# Allegro board meta_carrier_lay_rev1.brd (continued)
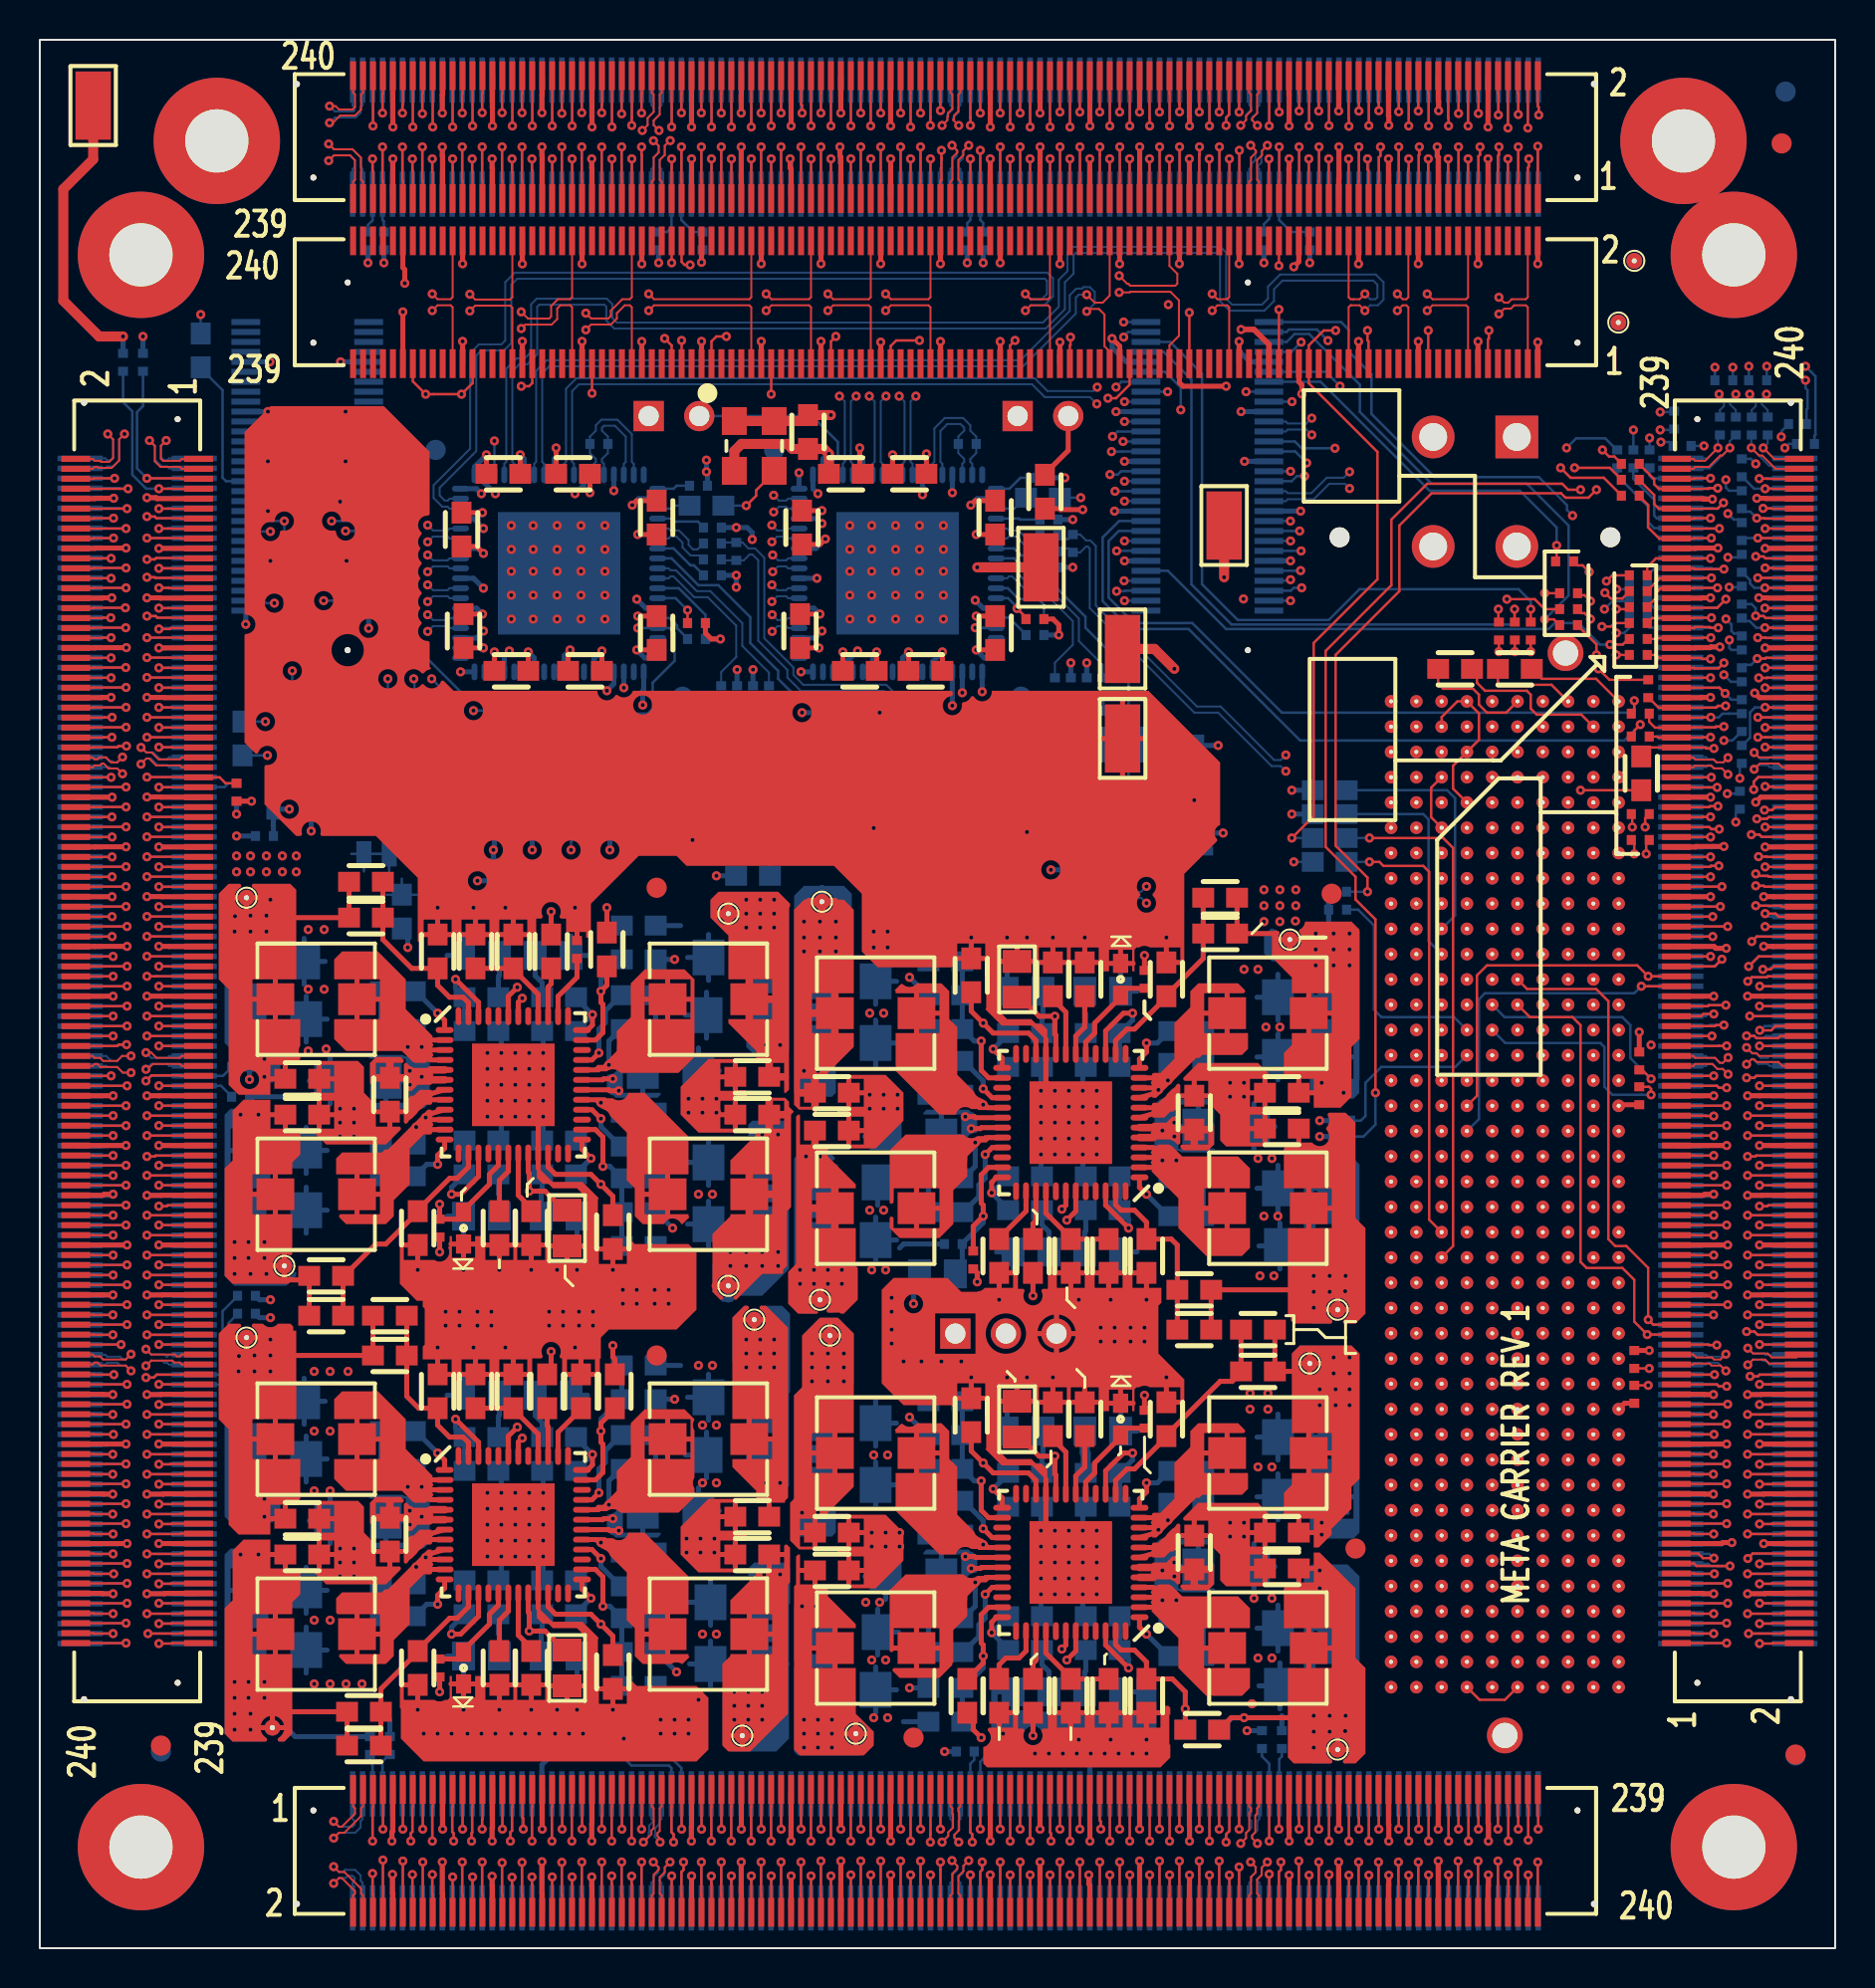
[diagram p0: board, top side]
## Nets (continued)
GND: C1.2 C2.2 C3.2 C4.2 C5.2 C6.2 C7.2 C8.2 C9.2 C10.2 C11.2 C12.2 C13.2 C14.2 C15.2 C16.2 C17.2 C18.2 C19.2 C23.2 C24.2 C25.2 C26.2 C27.2 C28.2 C29.2 C30.2 C31.2 C32.2 C33.2 C34.2 C35.2 C36.2 C37.2 C38.2 C39.2 C40.2 C41.2 C42.2 C47.2 C49.2 C50.2 C51.2 C52.2 C53.2 C54.2 C55.2 C56.2 C57.2 C58.2 C59.2 C60.2 C61.2 C62.2 C63.2 C64.2 C65.2 C66.2 C68.2 C71.2 C72.2 C73.2 C74.2 C75.2 C76.2 C77.2 C78.2 C79.2 C80.2 C81.2 C82.2 C88.2 C89.2 C90.2 C91.2 C92.2 C93.2 C94.2 C95.2 C96.2 C98.2 C101.2 C102.2 C104.2 C105.2 C106.2 C107.2 C108.2 C109.2 C110.2 C111.2 C112.2 C120.2 C121.2 C122.2 C123.2 C124.2 C125.2 C126.2 C127.2 C128.2 C129.2 C130.2 C131.2 C133.2 C134.2 C135.2 C136.2 C137.2 C138.2 C139.2 C140.2 C141.2 C143.2 C146.2 C147.2 C149.2 C150.2 C151.2 C158.2 C159.2 C160.2 C161.2 C162.2 C163.2 C164.2 C165.2 C166.2 C167.2 C168.2 C169.2 C170.2 C171.2 C172.2 C173.2 C178.2 C179.2 C180.2 C181.2 C182.2 C183.2 C184.2 C185.2 C186.2 C187.2 CR1.1(C) CR2.1(C) CR3.1(C) CR4.1(C) J1.11 J1.12 J1.31 J1.32 J1.51 J1.52 J1.71(11) J1.72(12) J1.91(31) J1.92(32) J1.111(51) J1.112(52) J1.131(11) J1.132(12) J1.151(31) J1.152(32) J1.171(51) J1.172(52) J1.191(11) J1.192(12) J1.211(31) J1.212(32) J1.231(51) J1.232(52) J2.1 J2.2 J2.13 J2.14 J2.25 J2.26 J2.37 J2.38 J2.49 J2.50 J2.61(1) J2.62(2) J2.73(13) J2.74(14) J2.85(25) J2.86(26) J2.97(37) J2.98(38) J2.109(49) J2.110(50) J2.121(1) J2.122(2) J2.133(13) J2.134(14) J2.145(25) J2.146(26) J2.157(37) J2.158(38) J2.169(49) J2.170(50) J2.181(1) J2.182(2) J2.193(13) J2.194(14) J2.205(25) J2.206(26) J2.217(37) J2.218(38) J2.229(49) J2.230(50) J3.9 J3.10 J3.29 J3.30 J3.49 J3.50 J3.69(9) J3.70(10) J3.89(29) J3.90(30) J3.109(49) J3.110(50) J3.129(9) J3.130(10) J3.149(29) J3.150(30) J3.169(49) J3.170(50) J3.189(9) J3.190(10) J3.209(29) J3.210(30) J3.229(49) J3.230(50) J4.11 J4.12 J4.31 J4.32 J4.51 J4.52 J4.71(11) J4.72(12) J4.91(31) J4.92(32) J4.111(51) J4.112(52) J4.131(11) J4.132(12) J4.151(31) J4.152(32) J4.171(51) J4.172(52) J4.191(11) J4.192(12) J4.211(31) J4.212(32) J4.231(51) J4.232(52) J5.9 J5.10 J5.29 J5.30 J5.49 J5.50 J5.69(9) J5.70(10) J5.89(29) J5.90(30) J5.109(49) J5.110(50) J5.129(9) J5.130(10) J5.149(29) J5.150(30) J5.169(49) J5.170(50) J5.189(9) J5.190(10) J5.209(29) J5.210(30) J5.229(49) J5.230(50) J6.11 J6.12 J6.31 J6.32 J6.51 J6.52 J6.71(11) J6.72(12) J6.91(31) J6.92(32) J6.111(51) J6.112(52) J6.131(11) J6.132(12) J6.151(31) J6.152(32) J6.171(51) J6.172(52) J6.191(11) J6.192(12) J6.211(31) J6.212(32) J6.231(51) J6.232(52) J7.1 J7.2 J8.11 J8.12 J8.21 J8.22 J8.31 J8.32 J8.41 J8.42 J8.51 J8.52 J9.1 J10.3 J11.11 J11.12 J11.31 J11.32 J11.51 J11.52 J11.71(11) J11.72(12) J11.91(31) J11.92(32) J11.111(51) J11.112(52) J11.131(11) J11.132(12) J11.151(31) J11.152(32) J11.171(51) J11.172(52) J11.191(11) J11.192(12) J11.211(31) J11.212(32) J11.231(51) J11.232(52) J12.9 J12.10 J12.29 J12.30 J12.49 J12.50 J12.69(9) J12.70(10) J12.89(29) J12.90(30) J12.109(49) J12.110(50) J12.129(9) J12.130(10) J12.149(29) J12.150(30) J12.169(49) J12.170(50) J12.189(9) J12.190(10) J12.209(29) J12.210(30) J12.229(49) J12.230(50) J14.11 J14.12 J14.21 J14.22 J14.31 J14.32 J14.41 J14.42 J14.51 J14.52 J15.9 J15.10 J15.29 J15.30 J15.49 J15.50 J15.69(9) J15.70(10) J15.89(29) J15.90(30) J15.109(49) J15.110(50) J15.129(9) J15.130(10) J15.149(29) J15.150(30) J15.169(49) J15.170(50) J15.189(9) J15.190(10) J15.209(29) J15.210(30) J15.229(49) J15.230(50) P1.A1(GND#A1) P1.A4(GND#A4) P1.A5(GND#A5) P1.A8(GND#A8) P1.A9(GND#A9) P1.A12(GND#A12) P1.A13(GND#A13) P1.A16(GND#A16) P1.A17(GND#A17) P1.A20(GND#A20) P1.A21(GND#A21) P1.A24(GND#A24) P1.A25(GND#A25) P1.A28(GND#A28) P1.A29(GND#A29) P1.A32(GND#A32) P1.A33(GND#A33) P1.A36(GND#A36) P1.A37(GND#A37) P1.A40(GND#A40) P1.B2(GND#B2) P1.B3(GND#B3) P1.B6(GND#B6) P1.B7(GND#B7) P1.B10(GND#B10) P1.B11(GND#B11) P1.B14(GND#B14) P1.B15(GND#B15) P1.B18(GND#B18) P1.B19(GND#B19) P1.B22(GND#B22) P1.B23(GND#B23) P1.B26(GND#B26) P1.B27(GND#B27) P1.B30(GND#B30) P1.B31(GND#B31) P1.B34(GND#B34) P1.B35(GND#B35) P1.B38(GND#B38) P1.B39(GND#B39) P1.C1(GND#C1) P1.C4(GND#C4) P1.C5(GND#C5) P1.C8(GND#C8) P1.C9(GND#C9) P1.C12(GND#C12) P1.C13(GND#C13) P1.C16(GND#C16) P1.C17(GND#C17) P1.C20(GND#C20) P1.C21(GND#C21) P1.C24(GND#C24) P1.C25(GND#C25) P1.C28(GND#C28) P1.C29(GND#C29) P1.C32(GND#C32) P1.C33(GND#C33) P1.C36(GND#C36) P1.C38(GND#C38) P1.C40(GND#C40) P1.D2(GND#D2) P1.D3(GND#D3) P1.D6(GND#D6) P1.D7(GND#D7) P1.D10(GND#D10) P1.D13(GND#D13) P1.D16(GND#D16) P1.D19(GND#D19) P1.D22(GND#D22) P1.D25(GND#D25) P1.D28(GND#D28) P1.D37(GND#D37) P1.D39(GND#D39) P1.E1(GND#E1) P1.E4(GND#E4) P1.E5(GND#E5) P1.E8(GND#E8) P1.E11(GND#E11) P1.E14(GND#E14) P1.E17(GND#E17) P1.E20(GND#E20) P1.E23(GND#E23) P1.E26(GND#E26) P1.E29(GND#E29) P1.E32(GND#E32) P1.E35(GND#E35) P1.E38(GND#E38) P1.E40(GND#E40) P1.F2(GND#F2) P1.F3(GND#F3) P1.F6(GND#F6) P1.F9(GND#F9) P1.F12(GND#F12) P1.F15(GND#F15) P1.F18(GND#F18) P1.F21(GND#F21) P1.F24(GND#F24) P1.F27(GND#F27) P1.F30(GND#F30) P1.F33(GND#F33) P1.F36(GND#F36) P1.F39(GND#F39) P1.G1(GND#G1) P1.G4(GND#G4) P1.G5(GND#G5) P1.G8(GND#G8) P1.G11(GND#G11) P1.G14(GND#G14) P1.G17(GND#G17) P1.G20(GND#G20) P1.G23(GND#G23) P1.G26(GND#G26) P1.G29(GND#G29) P1.G32(GND#G32) P1.G35(GND#G35) P1.G38(GND#G38) P1.G40(GND#G40) P1.H2(PRSNT_M2C_L) P1.H3(GND#H3) P1.H6(GND#H6) P1.H9(GND#H9) P1.H12(GND#H12) P1.H15(GND#H15) P1.H18(GND#H18) P1.H21(GND#H21) P1.H24(GND#H24) P1.H27(GND#H27) P1.H30(GND#H30) P1.H33(GND#H33) P1.H36(GND#H36) P1.H39(GND#H39) P1.J1(GND#J1) P1.J4(GND#J4) P1.J5(GND#J5) P1.J8(GND#J8) P1.J11(GND#J11) P1.J14(GND#J14) P1.J17(GND#J17) P1.J20(GND#J20) P1.J23(GND#J23) P1.J26(GND#J26) P1.J29(GND#J29) P1.J32(GND#J32) P1.J35(GND#J35) P1.J38(GND#J38) P1.J40(GND#J40) P1.K2(GND#K2) P1.K3(GND#K3) P1.K6(GND#K6) P1.K9(GND#K9) P1.K12(GND#K12) P1.K15(GND#K15) P1.K18(GND#K18) P1.K21(GND#K21) P1.K24(GND#K24) P1.K27(GND#K27) P1.K30(GND#K30) P1.K33(GND#K33) P1.K36(GND#K36) P1.K39(GND#K39) R8.1 R9.2 R10.1 R13.2 R15.1 R16.2 R18.1 R20.1 R21.2 R28.2 R29.1 R31.1 R32.1 R34.2 R35.2 R37.1 R39.1 R40.2 R42.1 R43.1 R50.1 R51.1 R66.1 R74.1 R75.1 R79.2 R80.2 R84.2 R89.2 R92.1 R97.1 R99.2 R104.2 R105.2 R110.2 R111.1 R130.1 R131.1 R137.1 R140.1 R141.1 R144.1 TP19.1 TP20.1 U1.2(GND) U2.7(PGND1) U2.8(PGND2) U2.21(AGND) U2.49(PAD) U3.7(PGND1) U3.8(PGND2) U3.21(AGND) U3.49(PAD) U4.7(PGND1) U4.8(PGND2) U4.21(AGND) U4.49(PAD) U5.7(PGND1) U5.8(PGND2) U5.21(AGND) U5.49(PAD) U6.3(GND) U7.24(REF_TEST) U7.56(SP0) U7.73(THERMAL) U8.3(GND) U10.24(REF_TEST) U10.55(SP1) U10.73(THERMAL)
VDDA_Q1: C39.1 U2.19(VDDA)
VDDA_Q2: C51.1 U5.19(VDDA)
VDDA_Q4: C64.1 U4.19(VDDA)
VDDA_Q8: C26.1 U3.19(VDDA)
VDDD_Q1: C40.1 R11.2 R17.2 U2.20(VDDD)
VDDD_Q2: C50.1 R33.2 R38.2 U5.20(VDDD)
VDDD_Q4: C65.1 R30.2 R36.2 U4.20(VDDD)
VDDD_Q8: C25.1 R12.2 R19.2 U3.20(VDDD)
VDDG_Q1: C38.1 U2.18(VDDG)
VDDG_Q2: C52.1 U5.18(VDDG)
VDDG_Q4: C63.1 U4.18(VDDG)
VDDG_Q8: C27.1 U3.18(VDDG)
1P8V: C3.1 C5.1 C8.1 C9.1 C12.1 C13.1 C16.1 C18.1 C35.1 C137.1 C138.1 C154.1 L6.2 R103.2 R125.1 TP8.1(TP) TP23.1 U7.30(VDD1P8_12) U7.36(VDD1P8_10) U7.42(VDD1P8_8) U7.48(VDD1P8_6) U7.54(VDD1P8_4) U7.63(VDD1P8_2) U7.69(VDD1P8_0) U9.1(G) U10.30(VDD1P8_12) U10.36(VDD1P8_10) U10.42(VDD1P8_8) U10.48(VDD1P8_6) U10.54(VDD1P8_4) U10.63(VDD1P8_2) U10.69(VDD1P8_0)
2P5V: C30.1 C113.1 C125.1 C126.1 L3.2 R81.2 TP4.1(TP)
3P3V: C1.1 C2.1 C4.1 C6.1 C7.1 C14.1 C15.1 C17.1 C19.1 C22.1 C28.1 C82.1 C131.1 C136.1 C140.1 J13.1 L2.2 R65.2 R93.2 R100.2 R120.1 R135.1 TP5.1(TP) TP22.1 U1.1(STB) U1.4(VCC) U6.6(VCC) U7.2(VDD3_PLL) U7.13(VDD3_VCO) U7.18(VDD3_REF) U7.27(VDD3_12) U7.33(VDD3_10) U7.39(VDD3_8) U7.45(VDD3_6) U7.51(VDD3_4) U7.55(SP1) U7.60(VDD3_2) U7.66(VDD3_0) U8.6(VCC) U10.2(VDD3_PLL) U10.13(VDD3_VCO) U10.18(VDD3_REF) U10.27(VDD3_12) U10.33(VDD3_10) U10.39(VDD3_8) U10.45(VDD3_6) U10.51(VDD3_4) U10.56(SP0) U10.60(VDD3_2) U10.66(VDD3_0) U11.1(G) U13.1(G)
5P0V: C37.1 C119.1 C123.1 C127.1 J14.1(01) J14.2(02) L7.2 R22.2 TP9.1(TP)
12P0V: C24.1 C32.1 C33.1 C41.1 C49.1 C57.1 C58.1 C66.1 C79.1 C80.1 C120.1 C121.1 C150.1 C151.1 C178.1 C179.1 J7.3 J7.4 R1.1 TP21.1 U2.5(PVIN1) U2.6(PVIN2) U2.22(VIN) U2.30(PVIN3) U2.31(PVIN4) U3.5(PVIN1) U3.6(PVIN2) U3.22(VIN) U3.30(PVIN3) U3.31(PVIN4) U4.5(PVIN1) U4.6(PVIN2) U4.22(VIN) U4.30(PVIN3) U4.31(PVIN4) U5.5(PVIN1) U5.6(PVIN2) U5.22(VIN) U5.30(PVIN3) U5.31(PVIN4)
CB1_Q1: R126.1 U2.1(CB1)
CB1_Q2: R59.1 U5.1(CB1)
CB1_Q4: R128.1 U4.1(CB1)
CB1_Q8: R57.1 U3.1(CB1)
CB2_Q1: R127.1 U2.12(CB2)
CB2_Q2: R58.1 U5.12(CB2)
CB2_Q4: R129.1 U4.12(CB2)
CB2_Q8: R56.1 U3.12(CB2)
CB3_Q1: R102.1 U2.28(CB3)
CB3_Q2: R86.1 U5.28(CB3)
CB3_Q4: R108.1 U4.28(CB3)
CB3_Q8: R82.1 U3.28(CB3)
CB4_Q1: R101.1 U2.33(CB4)
CB4_Q2: R87.1 U5.33(CB4)
CB4_Q4: R107.1 U4.33(CB4)
CB4_Q8: R83.1 U3.33(CB4)
CLK_N0: J2.3 U7.64(OUT1_B)
CLK_N1: J2.63(3) U7.61(OUT2_B)
CLK_N2: J2.15 U7.58(OUT3_B)
CLK_N3: J2.75(15) U7.52(OUT4_B)
CLK_N4: J2.123(3) U7.49(OUT5_B)
CLK_N5: J2.183(3) U7.46(OUT6_B)
CLK_N6: J2.135(15) U7.43(OUT7_B)
CLK_N7: J2.195(15) U7.40(OUT8_B)
CLK_N8: J2.27 U10.64(OUT1_B)
CLK_N9: J2.87(27) U10.61(OUT2_B)
CLK_N10: J2.39 U10.58(OUT3_B)
CLK_N11: J2.99(39) U10.52(OUT4_B)
CLK_N12: J2.147(27) U10.49(OUT5_B)
CLK_N13: J2.207(27) U10.46(OUT6_B)
CLK_N14: J2.159(39) U10.43(OUT7_B)
CLK_N15: J2.219(39) U10.40(OUT8_B)
CLK_P0: J2.4 U7.65(OUT1)
CLK_P1: J2.64(4) U7.62(OUT2)
CLK_P2: J2.16 U7.59(OUT3)
CLK_P3: J2.76(16) U7.53(OUT4)
CLK_P4: J2.124(4) U7.50(OUT5)
CLK_P5: J2.184(4) U7.47(OUT6)
CLK_P6: J2.136(16) U7.44(OUT7)
CLK_P7: J2.196(16) U7.41(OUT8)
CLK_P8: J2.28 U10.65(OUT1)
CLK_P9: J2.88(28) U10.62(OUT2)
CLK_P10: J2.40 U10.59(OUT3)
CLK_P11: J2.100(40) U10.53(OUT4)
CLK_P12: J2.148(28) U10.50(OUT5)
CLK_P13: J2.208(28) U10.47(OUT6)
CLK_P14: J2.160(40) U10.44(OUT7)
CLK_P15: J2.220(40) U10.41(OUT8)
CLKIN_N0: C99.2 P1.G16(LA12_N) R67.2
CLKIN_N1: C144.2 P1.G19(LA16_N) R94.2
CLKIN_P0: C100.2 P1.G15(LA12_P) R67.1
CLKIN_P1: C145.2 P1.G18(LA16_P) R94.1
CLKPD_1P8V: R49.1 U9.2(S)
CLKPDB: J14.9(09) R114.1 U7.15(PD_B) U10.15(PD_B)
CLKREF_N_CLOCK: R77.1 U7.67(OUT0_B) U7.71(ZD_IN_B)
CLKREF_N_CLOCK1: R113.1 U10.67(OUT0_B) U10.71(ZD_IN_B)
CLKREF_P_CLOCK: R77.2 U7.68(OUT0) U7.70(ZD_IN)
CLKREF_P_CLOCK1: R113.2 U10.68(OUT0) U10.70(ZD_IN)
COLID0: J14.13
COLID1: J14.15
COLID2: J2.174(54) J14.17 U12.4
COLID3: J2.176(56) J14.19 U12.3
COMP1_Q1: C167.1 R121.2 U2.46(COMP1)
COMP1_Q2: C94.1 R63.2 U5.46(COMP1)
COMP1_Q4: C171.1 R123.2 U4.46(COMP1)
COMP1_Q8: C90.1 R61.2 U3.46(COMP1)
COMP2_Q1: C168.1 R122.2 U2.15(COMP2)
COMP2_Q2: C93.1 R62.2 U5.15(COMP2)
COMP2_Q4: C172.1 R124.2 U4.15(COMP2)
COMP2_Q8: C89.1 R60.2 U3.15(COMP2)
COMP3_Q1: C159.1 R116.2 U2.25(COMP3)
COMP3_Q2: C111.1 R72.2 U5.25(COMP3)
COMP3_Q4: C162.1 R118.2 U4.25(COMP3)
COMP3_Q8: C108.1 R70.2 U3.25(COMP3)
COMP4_Q1: C158.1 R115.2 U2.36(COMP4)
COMP4_Q2: C112.1 R73.2 U5.36(COMP4)
COMP4_Q4: C161.1 R117.2 U4.36(COMP4)
COMP4_Q8: C109.1 R71.2 U3.36(COMP4)
CTRL_IN0: J4.181(1) J6.181(1) R3.2
CTRL_IN0_LINK4-S: J5.59 J12.59
CTRL_IN0_LINK4-S2: J3.59 J15.59
CTRL_IN0_N: J1.181(1) J11.181(1)
CTRL_IN1: J4.121(1) J6.121(1)
CTRL_IN1_LINK4-S: J5.119(59) J12.119(59)
CTRL_IN1_LINK4-S2: J3.119(59) J15.119(59)
CTRL_IN1_N: J1.121(1) J11.121(1)
CTRL_IN2: J4.61(1) J6.61(1)
CTRL_IN2_LINK4-S: J5.179(59) J12.179(59)
CTRL_IN2_LINK4-S2: J3.179(59) J15.179(59)
CTRL_IN2_N: J1.61(1) J11.61(1)
CTRL_IN3: J4.1 J6.1
CTRL_IN3_LINK4-S: J5.239(59) J12.239(59)
CTRL_IN3_LINK4-S2: J3.239(59) J15.239(59)
CTRL_IN3_N: J1.1 J11.1
CTRL_OUT0: J3.60 J15.60 R138.2
CTRL_OUT0_LINK4-E: J4.182(2) J6.182(2)
CTRL_OUT0_LINK4-S: J5.60 J12.60
CTRL_OUT0_N: J1.182(2) J11.182(2)
CTRL_OUT1: J3.120(60) J15.120(60)
CTRL_OUT1_LINK4-E: J4.122(2) J6.122(2)
CTRL_OUT1_LINK4-S: J5.120(60) J12.120(60)
CTRL_OUT1_N: J1.122(2) J11.122(2)
CTRL_OUT2: J3.180(60) J15.180(60)
CTRL_OUT2_LINK4-E: J4.62(2) J6.62(2)
CTRL_OUT2_LINK4-S: J5.180(60) J12.180(60)
CTRL_OUT2_N: J1.62(2) J11.62(2)
CTRL_OUT3: J3.240(60) J15.240(60)
CTRL_OUT3_LINK4-E: J4.2 J6.2
CTRL_OUT3_LINK4-S: J5.240(60) J12.240(60)
CTRL_OUT3_N: J1.2 J11.2
EA_DATA_IN_N0: J4.219(39) J6.219(39) R158.1
EA_DATA_IN_N1: J4.215(35) J6.215(35) R145.2
EA_DATA_IN_N2: J4.209(29) J6.209(29) R152.1
EA_DATA_IN_N3: J4.205(25) J6.205(25) R151.2
EA_DATA_IN_N4: J4.199(19) J6.199(19) R147.1
EA_DATA_IN_N5: J4.195(15) J6.195(15) R160.2
EA_DATA_IN_N6: J4.189(9) J6.189(9) R155.1
EA_DATA_IN_N7: J4.185(5) J6.185(5) R149.2
EA_DATA_IN_N8: J4.159(39) J6.159(39) P1.C23(LA18_N_CC)
EA_DATA_IN_N9: J4.155(35) J6.155(35) P1.H23(LA19_N)
EA_DATA_IN_N10: J4.149(29) J6.149(29) P1.G22(LA20_N)
EA_DATA_IN_N11: J4.145(25) J6.145(25) P1.H26(LA21_N)
EA_DATA_IN_N12: J4.139(19) J6.139(19) P1.G25(LA22_N)
EA_DATA_IN_N13: J4.135(15) J6.135(15) P1.D24(LA23_N)
EA_DATA_IN_N14: J4.129(9) J6.129(9) P1.H29(LA24_N)
EA_DATA_IN_N15: J4.125(5) J6.125(5) P1.G28(LA25_N)
EA_DATA_IN_N16: J4.99(39) J6.99(39) P1.J25(HB01_N)
EA_DATA_IN_N17: J4.95(35) J6.95(35) P1.F23(HB02_N)
EA_DATA_IN_N18: J4.89(29) J6.89(29) P1.E22(HB03_N)
EA_DATA_IN_N19: J4.85(25) J6.85(25) P1.F26(HB04_N)
EA_DATA_IN_N20: J4.79(19) J6.79(19) P1.E25(HB05_N)
EA_DATA_IN_N21: J4.75(15) J6.75(15) P1.K29(HB06_N_CC)
EA_DATA_IN_N22: J4.69(9) J6.69(9) P1.J28(HB07_N)
EA_DATA_IN_N23: J4.65(5) J6.65(5) P1.F29(HB08_N)
EA_DATA_IN_N24: J4.39 J6.39
EA_DATA_IN_N25: J4.35 J6.35
EA_DATA_IN_N26: J4.29 J6.29
EA_DATA_IN_N27: J4.25 J6.25
EA_DATA_IN_N28: J4.19 J6.19
EA_DATA_IN_N29: J4.15 J6.15
EA_DATA_IN_N30: J4.9 J6.9
EA_DATA_IN_N31: J4.5 J6.5
EA_DATA_IN_P0: J4.217(37) J6.217(37) R150.1
EA_DATA_IN_P1: J4.213(33) J6.213(33) R146.2
EA_DATA_IN_P2: J4.207(27) J6.207(27) R159.1
EA_DATA_IN_P3: J4.203(23) J6.203(23) R153.2
EA_DATA_IN_P4: J4.197(17) J6.197(17) R154.1
EA_DATA_IN_P5: J4.193(13) J6.193(13) R148.2
EA_DATA_IN_P6: J4.187(7) J6.187(7) R157.1
EA_DATA_IN_P7: J4.183(3) J6.183(3) R156.2
EA_DATA_IN_P8: J4.157(37) J6.157(37) P1.C22(LA18_P_CC)
EA_DATA_IN_P9: J4.153(33) J6.153(33) P1.H22(LA19_P)
EA_DATA_IN_P10: J4.147(27) J6.147(27) P1.G21(LA20_P)
EA_DATA_IN_P11: J4.143(23) J6.143(23) P1.H25(LA21_P)
EA_DATA_IN_P12: J4.137(17) J6.137(17) P1.G24(LA22_P)
EA_DATA_IN_P13: J4.133(13) J6.133(13) P1.D23(LA23_P)
EA_DATA_IN_P14: J4.127(7) J6.127(7) P1.H28(LA24_P)
EA_DATA_IN_P15: J4.123(3) J6.123(3) P1.G27(LA25_P)
EA_DATA_IN_P16: J4.97(37) J6.97(37) P1.J24(HB01_P)
EA_DATA_IN_P17: J4.93(33) J6.93(33) P1.F22(HB02_P)
EA_DATA_IN_P18: J4.87(27) J6.87(27) P1.E21(HB03_P)
EA_DATA_IN_P19: J4.83(23) J6.83(23) P1.F25(HB04_P)
EA_DATA_IN_P20: J4.77(17) J6.77(17) P1.E24(HB05_P)
EA_DATA_IN_P21: J4.73(13) J6.73(13) P1.K28(HB06_P_CC)
EA_DATA_IN_P22: J4.67(7) J6.67(7) P1.J27(HB07_P)
EA_DATA_IN_P23: J4.63(3) J6.63(3) P1.F28(HB08_P)
EA_DATA_IN_P24: J4.37 J6.37
EA_DATA_IN_P25: J4.33 J6.33
EA_DATA_IN_P26: J4.27 J6.27
EA_DATA_IN_P27: J4.23 J6.23
EA_DATA_IN_P28: J4.17 J6.17
EA_DATA_IN_P29: J4.13 J6.13
EA_DATA_IN_P30: J4.7 J6.7
EA_DATA_IN_P31: J4.3 J6.3
EA_DATA_OUT_N0: J4.220(40) J6.220(40) R178.1
EA_DATA_OUT_N1: J4.216(36) J6.216(36) R177.2
EA_DATA_OUT_N2: J4.210(30) J6.210(30) R182.1
EA_DATA_OUT_N3: J4.206(26) J6.206(26) R181.2
EA_DATA_OUT_N4: J4.200(20) J6.200(20) R186.1
EA_DATA_OUT_N5: J4.196(16) J6.196(16) R185.2
EA_DATA_OUT_N6: J4.190(10) J6.190(10) R190.1
EA_DATA_OUT_N7: J4.186(6) J6.186(6) R189.2
EA_DATA_OUT_N8: J4.160(40) J6.160(40) P1.D9(LA01_N_CC)
EA_DATA_OUT_N9: J4.156(36) J6.156(36) P1.H8(LA02_N)
EA_DATA_OUT_N10: J4.150(30) J6.150(30) P1.G10(LA03_N)
EA_DATA_OUT_N11: J4.146(26) J6.146(26) P1.H11(LA04_N)
EA_DATA_OUT_N12: J4.140(20) J6.140(20) P1.D12(LA05_N)
EA_DATA_OUT_N13: J4.136(16) J6.136(16) P1.C11(LA06_N)
EA_DATA_OUT_N14: J4.130(10) J6.130(10) P1.H14(LA07_N)
EA_DATA_OUT_N15: J4.126(6) J6.126(6) P1.G13(LA08_N)
EA_DATA_OUT_N16: J4.100(40) J6.100(40) P1.E3(HA01_N_CC)
EA_DATA_OUT_N17: J4.96(36) J6.96(36) P1.K8(HA02_N)
EA_DATA_OUT_N18: J4.90(30) J6.90(30) P1.J7(HA03_N)
EA_DATA_OUT_N19: J4.86(26) J6.86(26) P1.F8(HA04_N)
EA_DATA_OUT_N20: J4.80(20) J6.80(20) P1.E7(HA05_N)
EA_DATA_OUT_N21: J4.76(16) J6.76(16) P1.K11(HA06_N)
EA_DATA_OUT_N22: J4.70(10) J6.70(10) P1.J10(HA07_N)
EA_DATA_OUT_N23: J4.66(6) J6.66(6) P1.F11(HA08_N)
EA_DATA_OUT_N24: J4.40 J6.40
EA_DATA_OUT_N25: J4.36 J6.36
EA_DATA_OUT_N26: J4.30 J6.30
EA_DATA_OUT_N27: J4.26 J6.26
EA_DATA_OUT_N28: J4.20 J6.20
EA_DATA_OUT_N29: J4.16 J6.16
EA_DATA_OUT_N30: J4.10 J6.10
EA_DATA_OUT_N31: J4.6 J6.6
EA_DATA_OUT_P0: J4.218(38) J6.218(38) R180.1
EA_DATA_OUT_P1: J4.214(34) J6.214(34) R179.2
EA_DATA_OUT_P2: J4.208(28) J6.208(28) R184.1
EA_DATA_OUT_P3: J4.204(24) J6.204(24) R183.2
EA_DATA_OUT_P4: J4.198(18) J6.198(18) R188.1
EA_DATA_OUT_P5: J4.194(14) J6.194(14) R187.2
EA_DATA_OUT_P6: J4.188(8) J6.188(8) R192.1
EA_DATA_OUT_P7: J4.184(4) J6.184(4) R191.2
EA_DATA_OUT_P8: J4.158(38) J6.158(38) P1.D8(LA01_P_CC)
EA_DATA_OUT_P9: J4.154(34) J6.154(34) P1.H7(LA02_P)
EA_DATA_OUT_P10: J4.148(28) J6.148(28) P1.G9(LA03_P)
EA_DATA_OUT_P11: J4.144(24) J6.144(24) P1.H10(LA04_P)
EA_DATA_OUT_P12: J4.138(18) J6.138(18) P1.D11(LA05_P)
EA_DATA_OUT_P13: J4.134(14) J6.134(14) P1.C10(LA06_P)
EA_DATA_OUT_P14: J4.128(8) J6.128(8) P1.H13(LA07_P)
EA_DATA_OUT_P15: J4.124(4) J6.124(4) P1.G12(LA08_P)
EA_DATA_OUT_P16: J4.98(38) J6.98(38) P1.E2(HA01_P_CC)
EA_DATA_OUT_P17: J4.94(34) J6.94(34) P1.K7(HA02_P)
EA_DATA_OUT_P18: J4.88(28) J6.88(28) P1.J6(HA03_P)
EA_DATA_OUT_P19: J4.84(24) J6.84(24) P1.F7(HA04_P)
EA_DATA_OUT_P20: J4.78(18) J6.78(18) P1.E6(HA05_P)
EA_DATA_OUT_P21: J4.74(14) J6.74(14) P1.K10(HA06_P)
EA_DATA_OUT_P22: J4.68(8) J6.68(8) P1.J9(HA07_P)
EA_DATA_OUT_P23: J4.64(4) J6.64(4) P1.F10(HA08_P)
EA_DATA_OUT_P24: J4.38 J6.38
EA_DATA_OUT_P25: J4.34 J6.34
EA_DATA_OUT_P26: J4.28 J6.28
EA_DATA_OUT_P27: J4.24 J6.24
EA_DATA_OUT_P28: J4.18 J6.18
EA_DATA_OUT_P29: J4.14 J6.14
EA_DATA_OUT_P30: J4.8 J6.8
EA_DATA_OUT_P31: J4.4 J6.4
EA_FRAME_IN_N0: J4.235(55) J6.235(55) R44.1 R161.2
EA_FRAME_IN_N1: J4.175(55) J6.175(55) P1.D27(LA26_N) R45.1
EA_FRAME_IN_N2: J4.115(55) J6.115(55) P1.E28(HB09_N) R14.1
EA_FRAME_IN_N3: J4.55 J6.55 R27.1
EA_FRAME_IN_P0: J4.233(53) J6.233(53) R43.2 R163.2
EA_FRAME_IN_P1: J4.173(53) J6.173(53) P1.D26(LA26_P) R42.2
EA_FRAME_IN_P2: J4.113(53) J6.113(53) P1.E27(HB09_P) R15.2
EA_FRAME_IN_P3: J4.53 J6.53 R32.2
EA_FRAME_OUT_N0: J4.236(56) J6.236(56) R170.1
EA_FRAME_OUT_N1: J4.176(56) J6.176(56) P1.D15(LA09_N)
EA_FRAME_OUT_N2: J4.116(56) J6.116(56) P1.E10(HA09_N)
EA_FRAME_OUT_N3: J4.56 J6.56
EA_FRAME_OUT_P0: J4.234(54) J6.234(54) R172.1
EA_FRAME_OUT_P1: J4.174(54) J6.174(54) P1.D14(LA09_P)
EA_FRAME_OUT_P2: J4.114(54) J6.114(54) P1.E9(HA09_P)
EA_FRAME_OUT_P3: J4.54 J6.54
EA_LCLK_IN_N0: J4.239(59) J6.239(59) R162.1
EA_LCLK_IN_N1: J4.179(59) J6.179(59) P1.D21(LA17_N_CC)
EA_LCLK_IN_N2: J4.119(59) J6.119(59) P1.K26(HB00_N_CC)
EA_LCLK_IN_N3: J4.59 J6.59
EA_LCLK_IN_P0: J4.237(57) J6.237(57) R164.1
EA_LCLK_IN_P1: J4.177(57) J6.177(57) P1.D20(LA17_P_CC)
EA_LCLK_IN_P2: J4.117(57) J6.117(57) P1.K25(HB00_P_CC)
EA_LCLK_IN_P3: J4.57 J6.57
EA_LCLK_OUT_N0: J4.240(60) J6.240(60) R173.1
EA_LCLK_OUT_N1: J4.180(60) J6.180(60) P1.G7(LA00_N_CC)
EA_LCLK_OUT_N2: J4.120(60) J6.120(60) P1.F5(HA00_N_CC)
EA_LCLK_OUT_N3: J4.60 J6.60
EA_LCLK_OUT_P0: J4.238(58) J6.238(58) R176.1
EA_LCLK_OUT_P1: J4.178(58) J6.178(58) P1.G6(LA00_P_CC)
EA_LCLK_OUT_P2: J4.118(58) J6.118(58) P1.F4(HA00_P_CC)
EA_LCLK_OUT_P3: J4.58 J6.58
EA_WAIT_RD_IN_N0: J4.226(46) J6.226(46) R174.2
EA_WAIT_RD_IN_N1: J4.166(46) J6.166(46) P1.C15(LA10_N)
EA_WAIT_RD_IN_N2: J4.106(46) J6.106(46) P1.K14(HA10_N)
EA_WAIT_RD_IN_N3: J4.46 J6.46
EA_WAIT_RD_IN_P0: J4.224(44) J6.224(44) R175.2
EA_WAIT_RD_IN_P1: J4.164(44) J6.164(44) P1.C14(LA10_P)
EA_WAIT_RD_IN_P2: J4.104(44) J6.104(44) P1.K13(HA10_P)
EA_WAIT_RD_IN_P3: J4.44 J6.44
EA_WAIT_RD_OUT_N0: J4.225(45) J6.225(45) R166.1
EA_WAIT_RD_OUT_N1: J4.165(45) J6.165(45) P1.C27(LA27_N)
EA_WAIT_RD_OUT_N2: J4.105(45) J6.105(45) P1.K32(HB10_N)
EA_WAIT_RD_OUT_N3: J4.45 J6.45
EA_WAIT_RD_OUT_P0: J4.223(43) J6.223(43) R168.1
EA_WAIT_RD_OUT_P1: J4.163(43) J6.163(43) P1.C26(LA27_P)
EA_WAIT_RD_OUT_P2: J4.103(43) J6.103(43) P1.K31(HB10_P)
EA_WAIT_RD_OUT_P3: J4.43 J6.43
EA_WAIT_WR_IN_N0: J4.230(50) J6.230(50) R169.2
EA_WAIT_WR_IN_N1: J4.170(50) J6.170(50) P1.H17(LA11_N)
EA_WAIT_WR_IN_N2: J4.110(50) J6.110(50) P1.J13(HA11_N)
EA_WAIT_WR_IN_N3: J4.50 J6.50
EA_WAIT_WR_IN_P0: J4.228(48) J6.228(48) R171.2
EA_WAIT_WR_IN_P1: J4.168(48) J6.168(48) P1.H16(LA11_P)
EA_WAIT_WR_IN_P2: J4.108(48) J6.108(48) P1.J12(HA11_P)
EA_WAIT_WR_IN_P3: J4.48 J6.48
EA_WAIT_WR_OUT_N0: J4.229(49) J6.229(49) R165.2
EA_WAIT_WR_OUT_N1: J4.169(49) J6.169(49) P1.H32(LA28_N)
EA_WAIT_WR_OUT_N2: J4.109(49) J6.109(49) P1.J31(HB11_N)
EA_WAIT_WR_OUT_N3: J4.49 J6.49
EA_WAIT_WR_OUT_P0: J4.227(47) J6.227(47) R167.2
EA_WAIT_WR_OUT_P1: J4.167(47) J6.167(47) P1.H31(LA28_P)
EA_WAIT_WR_OUT_P2: J4.107(47) J6.107(47) P1.J30(HB11_P)
EA_WAIT_WR_OUT_P3: J4.47 J6.47
EEPROM_SEL: J13.2 U7.57(EEPROM_SEL) U10.57(EEPROM_SEL)
FAN: J2.55 J9.2 R1.2
FLAG0: J2.12
FLAG1: J2.72(12)
FLAG2: J2.24
FLAG3: J2.84(24)
FLAG4: J2.132(12)
FLAG5: J2.192(12)
FLAG6: J2.144(24)
FLAG7: J2.204(24)
FLAG8: J2.36
FLAG9: J2.96(36)
FLAG10: J2.48
FLAG11: J2.108(48)
FLAG12: J2.156(36)
FLAG13: J2.216(36)
FLAG14: J2.168(48)
FLAG15: J2.228(48)
FMC_3P3V: P1.C39(3P3V) P1.D36(3P3V#D36) P1.D38(3P3V#D38) P1.D40(3P3V#D40)
FMC_3P3VAUX: P1.D32(3P3VAUX)
FMC_12P0V: P1.C35(12P0V#C35) P1.C37(12P0V#C37)
FMC_VADJ: P1.E39(VADJ) P1.F40(VADJ) P1.G39(VADJ) P1.H40(VADJ) R2.1 R4.1
LDO_DIV_M1_CLOCK: C104.1 U7.14(LDO_DIV_M1)
LDO_DIV_M1_CLOCK1: C149.1 U10.14(LDO_DIV_M1)
LDO_PLL1_CLOCK: C102.1 U7.1(LDO_PLL1)
LDO_PLL1_CLOCK1: C147.1 U10.1(LDO_PLL1)
LDO_VCO_CLOCK: C10.1 C103.2 U7.12(LDO_VCO)
LDO_VCO_CLOCK1: C11.1 C148.2 U10.12(LDO_VCO)
LF1_EXT_CAP_CLOCK: C101.1 U7.7(LF1_EXT_CAP)
LF1_EXT_CAP_CLOCK1: C146.1 U10.7(LF1_EXT_CAP)
LF2_EXT_CAP_CLOCK: C103.1 U7.11(LF2_EXT_CAP)
LF2_EXT_CAP_CLOCK1: C148.1 U10.11(LF2_EXT_CAP)
MVDD: J2.53 TP2.1(TP)
MVSS: J2.54 TP1.1(TP)
N7653540_Q1: C174.2 R126.2
N7653540_Q2: C86.2 R59.2
N7653540_Q4: C176.2 R128.2
N7653540_Q8: C84.2 R57.2
N7661663_Q1: C175.2 R127.2
N7661663_Q2: C85.2 R58.2
N7661663_Q4: C177.2 R129.2
N7661663_Q8: C83.2 R56.2
N7662399_Q1: C153.2 R102.2
N7662399_Q2: C117.2 R86.2
N7662399_Q4: C156.2 R108.2
N7662399_Q8: C114.2 R82.2
N7663329_Q1: C152.2 R101.2
N7663329_Q2: C118.2 R87.2
N7663329_Q4: C155.2 R107.2
N7663329_Q8: C115.2 R83.2
N7676529_CLOCK: R69.2 U7.3(REFA)
N7676529_CLOCK1: R96.2 U10.3(REFA)
N7676769_Q1: C166.1 R121.1
N7676769_Q2: C95.1 R63.1
N7676769_Q4: C170.1 R123.1
N7676769_Q8: C91.1 R61.1
N7677954_Q1: C169.1 R122.1
N7677954_Q2: C92.1 R62.1
N7677954_Q4: C173.1 R124.1
N7677954_Q8: C88.1 R60.1
N7678257_Q1: C160.1 R116.1
N7678257_Q2: C110.1 R72.1
N7678257_Q4: C163.1 R118.1
N7678257_Q8: C107.1 R70.1
N7678567_Q1: C164.1 R115.1
N7678567_Q2: C106.1 R73.1
N7678567_Q4: C165.1 R117.1
N7678567_Q8: C105.1 R71.1
N7685377_CLOCK: R65.1 U6.2(OE)
N7685377_CLOCK1: R93.1 U8.2(OE)
N9391829_CLOCK: R55.1 U6.1(VC)
N9391829_CLOCK1: R90.1 U8.1(VC)
N9393456_CLOCK: C96.1 R64.2 R66.2 R68.1
N9393456_CLOCK1: C135.1 R91.2 R92.2 R95.1
NO_DATA_IN_N0: J1.219(39) J11.219(39)
NO_DATA_IN_N1: J1.215(35) J11.215(35)
NO_DATA_IN_N2: J1.209(29) J11.209(29)
NO_DATA_IN_N3: J1.205(25) J11.205(25)
NO_DATA_IN_N4: J1.199(19) J11.199(19)
NO_DATA_IN_N5: J1.195(15) J11.195(15)
NO_DATA_IN_N6: J1.189(9) J11.189(9)
NO_DATA_IN_N7: J1.185(5) J11.185(5)
NO_DATA_IN_N8: J1.159(39) J11.159(39)
NO_DATA_IN_N9: J1.155(35) J11.155(35)
NO_DATA_IN_N10: J1.149(29) J11.149(29)
NO_DATA_IN_N11: J1.145(25) J11.145(25)
NO_DATA_IN_N12: J1.139(19) J11.139(19)
NO_DATA_IN_N13: J1.135(15) J11.135(15)
NO_DATA_IN_N14: J1.129(9) J11.129(9)
NO_DATA_IN_N15: J1.125(5) J11.125(5)
NO_DATA_IN_N16: J1.99(39) J11.99(39)
NO_DATA_IN_N17: J1.95(35) J11.95(35)
NO_DATA_IN_N18: J1.89(29) J11.89(29)
NO_DATA_IN_N19: J1.85(25) J11.85(25)
NO_DATA_IN_N20: J1.79(19) J11.79(19)
NO_DATA_IN_N21: J1.75(15) J11.75(15)
NO_DATA_IN_N22: J1.69(9) J11.69(9)
NO_DATA_IN_N23: J1.65(5) J11.65(5)
NO_DATA_IN_N24: J1.39 J11.39
NO_DATA_IN_N25: J1.35 J11.35
NO_DATA_IN_N26: J1.29 J11.29
NO_DATA_IN_N27: J1.25 J11.25
NO_DATA_IN_N28: J1.19 J11.19
NO_DATA_IN_N29: J1.15 J11.15
NO_DATA_IN_N30: J1.9 J11.9
NO_DATA_IN_N31: J1.5 J11.5
NO_DATA_IN_P0: J1.217(37) J11.217(37)
NO_DATA_IN_P1: J1.213(33) J11.213(33)
NO_DATA_IN_P2: J1.207(27) J11.207(27)
NO_DATA_IN_P3: J1.203(23) J11.203(23)
NO_DATA_IN_P4: J1.197(17) J11.197(17)
NO_DATA_IN_P5: J1.193(13) J11.193(13)
NO_DATA_IN_P6: J1.187(7) J11.187(7)
NO_DATA_IN_P7: J1.183(3) J11.183(3)
NO_DATA_IN_P8: J1.157(37) J11.157(37)
NO_DATA_IN_P9: J1.153(33) J11.153(33)
NO_DATA_IN_P10: J1.147(27) J11.147(27)
NO_DATA_IN_P11: J1.143(23) J11.143(23)
NO_DATA_IN_P12: J1.137(17) J11.137(17)
NO_DATA_IN_P13: J1.133(13) J11.133(13)
NO_DATA_IN_P14: J1.127(7) J11.127(7)
NO_DATA_IN_P15: J1.123(3) J11.123(3)
NO_DATA_IN_P16: J1.97(37) J11.97(37)
NO_DATA_IN_P17: J1.93(33) J11.93(33)
NO_DATA_IN_P18: J1.87(27) J11.87(27)
NO_DATA_IN_P19: J1.83(23) J11.83(23)
NO_DATA_IN_P20: J1.77(17) J11.77(17)
NO_DATA_IN_P21: J1.73(13) J11.73(13)
NO_DATA_IN_P22: J1.67(7) J11.67(7)
NO_DATA_IN_P23: J1.63(3) J11.63(3)
NO_DATA_IN_P24: J1.37 J11.37
NO_DATA_IN_P25: J1.33 J11.33
NO_DATA_IN_P26: J1.27 J11.27
NO_DATA_IN_P27: J1.23 J11.23
NO_DATA_IN_P28: J1.17 J11.17
NO_DATA_IN_P29: J1.13 J11.13
NO_DATA_IN_P30: J1.7 J11.7
NO_DATA_IN_P31: J1.3 J11.3
NO_DATA_OUT_N0: J1.220(40) J11.220(40)